# Altium PCB 电解水杯拼版6in1.PcbDoc (part 4 of 9)
Units mm, origin at the board's own origin, x right, y up, seen from the top; angles counter-clockwise.
Board outline 210 x 138 mm, 2 copper layers (Top Layer, Bottom Layer); 750 components, 0 nets, 2092 pads, 2070 vias.
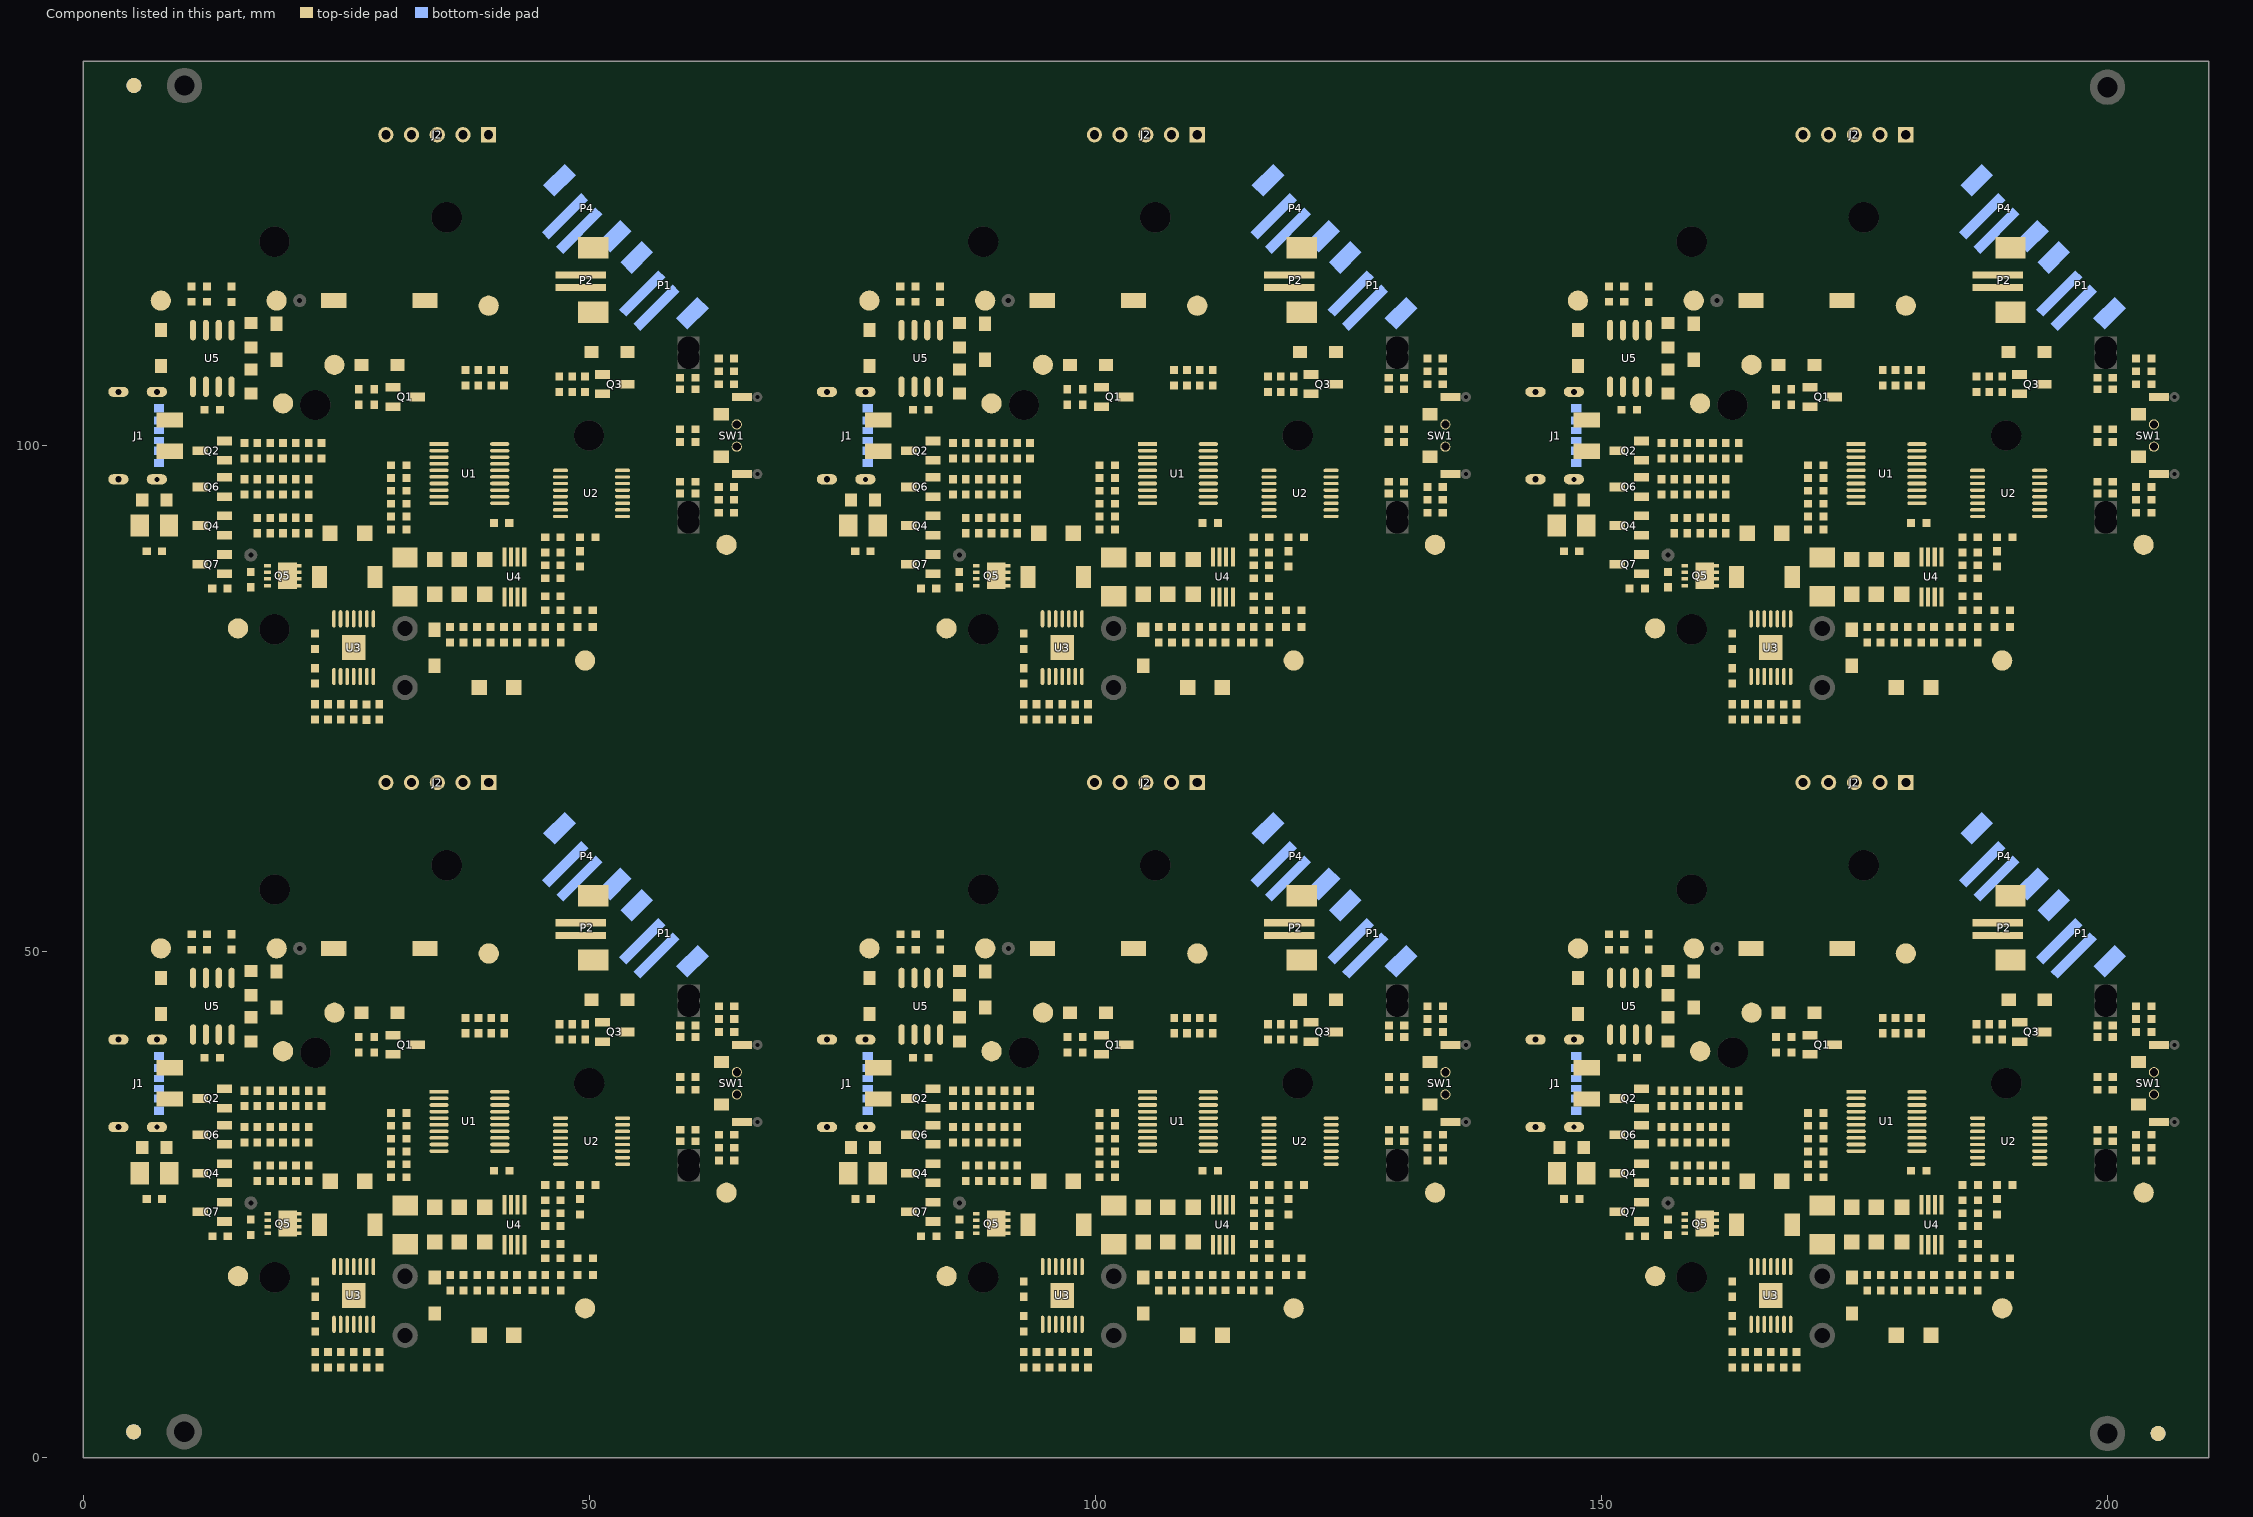
[diagram p4: the components of this part, seen from the top]

## Via types
v1: diameter 0.6, hole 0.3, Top Layer to Bottom Layer, 1968 vias
v2: diameter 0.8, hole 0.4, Top Layer to Bottom Layer, 102 vias

## Nets (pads, with @x,y where several pads share a name; then routed paths per layer and width w, separated by ;. In a path a pad name is that pad's centre, name@x,y a point inside that pad or via, vN(x,y) a via of type N, cw(c..) or ccw(c..) an arc to the next point about the centre after c; other vN are vias at no path point) (continued)
copper on no net: (continued)
  Top Layer w0.254: v1@109.32,36.878 ccw(c109.025,36.582) 109.025,37 ccw(c109.025,37.418) v1@109.32,37.122 ; v1(109.437,97.562) 111.167,97.562 114.889,97.562 115.152,97.825 115.152,107.35 115.787,107.985 121.756,107.985 122.137,108.366 122.137,111.16 122.518,111.541 132.805,111.541 133.567,110.779 133.567,103.286 ; v1(109.443,33.562) 111.173,33.562 114.894,33.562 115.158,33.825 115.158,43.35 115.793,43.985 121.762,43.985 122.143,44.366 122.143,47.16 122.524,47.541 132.811,47.541 133.573,46.779 133.573,39.286 ; v1@109.559,97.439 cw(c109.855,97.144) 109.855,97.562 cw(c109.855,97.979) v1@109.559,97.684 ; v1@109.565,33.439 cw(c109.86,33.144) 109.86,33.562 cw(c109.86,33.979) v1@109.565,33.684 ; 110.146,105.773 ccw(c109.713,105.34) 109.713,105.953 ccw(c109.713,106.566) 110.146,106.133 ; 110.152,41.773 ccw(c109.718,41.34) 109.718,41.953 ccw(c109.718,42.566) 110.152,42.133 ; 110.384,92.188 ccw(c109.95,91.755) 109.95,92.368 ccw(c109.95,92.981) 110.384,92.548 ; 110.389,28.188 ccw(c109.956,27.755) 109.956,28.368 ccw(c109.956,28.981) 110.389,28.548 ; 110.506,105.773 cw(c110.939,105.34) 110.939,105.953 cw(c110.939,106.566) 110.506,106.133 ; 110.511,41.773 cw(c110.945,41.34) 110.945,41.953 cw(c110.945,42.566) 110.511,42.133 ; 110.512,113.393 cw(c111.559,112.346) 111.559,113.827 ; 110.512,114.269 ccw(c111.579,115.335) 111.579,113.827 ; 110.518,49.393 cw(c111.565,48.346) 111.565,49.827 ; 110.518,50.269 ccw(c111.584,51.335) 111.584,49.827 ; 110.583,92.368 109.821,92.368 109.44,92.749 109.44,94.781 109.62,94.962 111.167,94.962 ; 110.588,28.368 109.826,28.368 109.445,28.749 109.445,30.781 109.626,30.962 111.173,30.962 ; 110.692,113.214 cw(c112.173,111.733) 112.173,113.827 ; 110.692,114.448 ccw(c112.192,115.948) 112.192,113.827 ; 110.697,49.214 cw(c112.178,47.733) 112.178,49.827 ; 110.697,50.448 ccw(c112.197,51.948) 112.197,49.827 ; 111.129,94.31 116.923,94.31 ; 111.135,30.31 116.929,30.31 ; 111.167,96.912 115.255,96.912 115.66,97.317 115.66,105.064 115.914,105.318 117.057,105.318 ; 111.167,98.862 v1@113.628,98.862 ; 111.169,94.96 116.923,94.96 ; 111.169,95.61 116.923,95.61 ; 111.169,96.26 116.923,96.26 ; 111.173,32.912 115.26,32.912 115.666,33.317 115.666,41.064 115.92,41.318 117.063,41.318 ; 111.173,34.862 v1@113.634,34.862 ; 111.174,30.96 116.929,30.96 ; 111.174,31.61 116.929,31.61 ; 111.174,32.26 116.929,32.26 ; 111.416,105.773 ccw(c110.983,105.34) 110.983,105.953 ccw(c110.983,106.566) 111.416,106.133 ; 111.422,41.773 ccw(c110.988,41.34) 110.988,41.953 ccw(c110.988,42.566) 111.422,42.133 ; 111.776,105.773 cw(c112.209,105.34) 112.209,105.953 cw(c112.209,106.566) 111.776,106.133 ; 111.781,41.773 cw(c112.215,41.34) 112.215,41.953 cw(c112.215,42.566) 111.781,42.133 ; 112.287,85.055 112.287,83.538 112.739,83.086 112.739,82.078 112.739,80.554 ; 112.293,21.055 112.293,19.538 112.744,19.086 112.744,18.078 112.744,16.554 ; v1@112.49,113.949 cw(c112.194,114.245) 112.194,113.827 cw(c112.194,113.409) 112.49,113.705 cw(c112.194,113.409) 112.612,113.409 cw(c113.03,113.409) v1@112.734,113.705 ; v1@112.495,49.949 cw(c112.2,50.245) 112.2,49.827 cw(c112.2,49.409) 112.495,49.705 cw(c112.2,49.409) 112.618,49.409 cw(c113.035,49.409) v1@112.74,49.705 ; v1@112.617,101.64 ccw(c112.321,101.344) 112.321,101.762 ccw(c112.321,102.18) v1@112.617,101.884 ; v1@112.622,37.64 ccw(c112.327,37.344) 112.327,37.762 ccw(c112.327,38.18) v1@112.622,37.884 ; 112.739,81.202 cw(c113.722,81.202) 113.027,81.897 ; 112.739,81.428 ccw(c113.722,81.428) 113.027,80.733 ; 112.739,82.952 ccw(c113.722,82.952) 113.027,82.257 ; v1@112.739,93.66 117.163,93.66 ; 112.744,17.202 cw(c113.727,17.202) 113.032,17.897 ; 112.744,17.428 ccw(c113.727,17.428) 113.032,16.733 ; 112.744,18.952 ccw(c113.727,18.952) 113.032,18.257 ; v1@112.745,29.66 117.169,29.66 ; v1@112.861,93.512 cw(c113.22,93.154) 113.22,93.66 ; v1@112.861,93.756 ccw(c113.094,93.989) 113.094,93.66 ; v1@112.861,103.418 cw(c113.157,103.122) 113.157,103.54 cw(c113.157,103.958) v1@112.861,103.662 ; v1@112.867,29.512 cw(c113.225,29.154) 113.225,29.66 ; v1@112.867,29.756 ccw(c113.099,29.989) 113.099,29.66 ; v1@112.867,39.418 cw(c113.162,39.122) 113.162,39.54 cw(c113.162,39.958) v1@112.867,39.662 ; 112.937,85.055 112.937,83.53 113.12,83.347 114.009,83.347 114.263,83.093 114.263,82.078 115.66,82.078 116.422,81.316 117.946,81.316 118.2,81.062 118.2,80.173 ; 112.943,21.055 112.943,19.53 113.126,19.347 114.014,19.347 114.268,19.093 114.268,18.078 115.665,18.078 116.427,17.316 117.951,17.316 118.205,17.062 118.205,16.173 ; 113.16,98.862 cw(c113.16,98.373) v1@113.506,98.719 ; 113.166,34.862 cw(c113.166,34.373) v1@113.511,34.719 ; 113.261,98.862 ccw(c113.261,99.209) v1@113.506,98.963 ; 113.266,34.862 ccw(c113.266,35.209) v1@113.511,34.963 ; 114.263,82.952 ccw(c115.246,82.952) 114.551,82.257 ; 114.268,18.952 ccw(c115.251,18.952) 114.556,18.257 ; 114.589,81.897 cw(c115.024,81.462) 115.024,82.078 ; 114.589,82.257 ccw(c115.021,82.689) 115.021,82.078 ; 114.594,17.897 cw(c115.029,17.462) 115.029,18.078 ; 114.594,18.257 ccw(c115.026,18.689) 115.026,18.078 ; 115.48,81.898 ccw(c115.047,81.464) 115.047,82.078 ccw(c115.047,82.691) 115.48,82.257 ; 115.486,17.898 ccw(c115.052,17.464) 115.052,18.078 ccw(c115.052,18.691) 115.486,18.257 ; 115.66,81.805 cw(c115.66,81.146) 116.126,81.612 ; 115.665,17.805 cw(c115.665,17.146) 116.131,17.612 ; 115.914,82.059 ccw(c116.481,82.059) 116.08,81.657 ; 115.919,18.059 ccw(c116.487,18.059) 116.085,17.657 ; 116.633,89.486 ccw(c116.924,89.777) 117.165,89.444 ; 116.638,25.486 ccw(c116.929,25.777) 117.17,25.444 ; 116.855,115.457 cw(c116.062,114.664) 117.184,114.664 ; 116.861,51.457 cw(c116.067,50.664) 117.19,50.664 ; 116.877,105.138 ccw(c116.444,104.705) 116.444,105.318 ccw(c116.444,105.931) 116.877,105.498 ; 116.883,41.138 ccw(c116.449,40.705) 116.449,41.318 ccw(c116.449,41.931) 116.883,41.498 ; 116.957,89.297 ccw(c116.675,89.099) 116.675,89.444 ; 116.957,89.59 cw(c116.675,89.788) 116.675,89.444 ; 116.963,25.297 ccw(c116.681,25.099) 116.681,25.444 ; 116.963,25.59 cw(c116.681,25.788) 116.681,25.444 ; 117.016,89.65 cw(c116.747,90.022) 116.422,89.697 ; 117.021,25.65 cw(c116.752,26.022) 116.428,25.697 ; 117.035,115.637 cw(c116.675,115.277) 117.184,115.277 ; 117.04,51.637 cw(c116.681,51.277) 117.19,51.277 ; 117.057,106.842 117.245,107.03 121.318,107.03 ; 117.063,42.842 117.251,43.03 121.324,43.03 ; v1@117.062,113.949 ccw(c116.766,114.245) 117.184,114.245 ccw(c117.602,114.245) v1@117.306,113.949 ; v1@117.067,49.949 ccw(c116.772,50.245) 117.19,50.245 ccw(c117.607,50.245) v1@117.312,49.949 ; v1(117.184,113.827) 117.184,115.605 117.194,115.615 119.163,115.615 ; v1(117.19,49.827) 117.19,51.605 117.2,51.615 119.169,51.615 ; 117.306,107.03 cw(c117.306,105.84) 118.147,106.681 ; 117.311,43.03 cw(c117.311,41.84) 118.153,42.681 ; 117.382,89.264 cw(c117.816,88.83) 117.816,89.444 cw(c117.816,90.057) 117.382,89.623 ; 117.388,25.264 cw(c117.821,24.83) 117.821,25.444 cw(c117.821,26.057) 117.388,25.623 ; 117.465,107.03 ccw(c117.465,106.453) 117.057,106.861 cw(c117.467,106.451) 117.467,107.031 ; 117.471,43.03 ccw(c117.471,42.453) 117.063,42.861 cw(c117.472,42.451) 117.472,43.031 ; 117.919,107.03 cw(c117.919,106.453) 118.327,106.861 ; 117.925,43.03 cw(c117.925,42.453) 118.333,42.861 ; 117.945,107.031 cw(c117.945,106.515) 118.327,106.861 ; 117.95,43.031 cw(c117.95,42.515) 118.333,42.861 ; 118.078,107.03 ccw(c118.078,105.84) 117.237,106.681 cw(c118.08,105.838) 118.08,107.031 ; 118.084,43.03 ccw(c118.084,41.84) 117.242,42.681 cw(c118.085,41.838) 118.085,43.031 ; 118.139,106.691 ccw(c117.372,105.996) 117.372,107.031 120.048,107.031 ccw(c120.048,106.833) 119.851,106.845 ; 118.144,42.691 ccw(c117.377,41.996) 117.377,43.031 120.053,43.031 ccw(c120.053,42.833) 119.856,42.845 ; 118.217,89.444 ccw(c118.217,90.423) 118.909,89.731 ; 118.222,25.444 ccw(c118.222,26.423) 118.915,25.731 ; 118.574,107.031 cw(c118.574,105.838) 119.417,106.681 ccw(c118.576,105.84) 118.576,107.03 ; 118.58,43.031 cw(c118.58,41.838) 119.423,42.681 ccw(c118.581,41.84) 118.581,43.03 ; 118.725,78.816 ccw(c116.928,78.901) 118.2,80.173 ; 118.73,14.816 ccw(c116.933,14.901) 118.205,16.173 ; 118.735,107.03 ccw(c118.735,106.453) 118.327,106.861 ; 118.737,107.031 ccw(c118.737,106.451) 118.327,106.861 ; 118.741,43.03 ccw(c118.741,42.453) 118.333,42.861 ; 118.742,43.031 ccw(c118.742,42.451) 118.333,42.861 ; 118.979,78.805 ccw(c117.704,78.864) 118.606,79.766 ccw(c119.508,80.668) 119.568,79.394 ; 118.984,14.805 ccw(c117.71,14.864) 118.612,15.766 ccw(c119.514,16.668) 119.573,15.394 ; 119.187,107.031 cw(c119.187,106.451) 119.597,106.861 ; 119.189,107.03 cw(c119.189,106.453) 119.597,106.861 ; 119.193,43.031 cw(c119.193,42.451) 119.603,42.861 ; 119.195,43.03 cw(c119.195,42.453) 119.603,42.861 ; 119.269,89.731 ccw(c119.961,90.423) 119.961,89.444 ; 119.274,25.731 ccw(c119.967,26.423) 119.967,25.444 ; 119.348,107.03 ccw(c119.348,105.84) 118.507,106.681 cw(c119.35,105.838) 119.35,107.031 ; 119.354,43.03 ccw(c119.354,41.84) 118.512,42.681 cw(c119.355,41.838) 119.355,43.031 ; 119.556,79.648 cw(c119.472,81.445) 118.2,80.173 ; 119.561,15.648 cw(c119.477,17.445) 118.205,16.173 ; 119.597,78.776 118.2,80.173 ; 119.602,14.776 118.205,16.173 ; 119.777,106.681 cw(c120.618,105.84) 120.618,107.03 ; 119.782,42.681 cw(c120.624,41.84) 120.624,43.03 ; 120.005,107.03 ccw(c120.005,106.453) 119.597,106.861 ; 120.011,43.03 ccw(c120.011,42.453) 119.603,42.861 ; 120.782,106.819 ccw(c120.274,106.311) 120.274,107.03 ccw(c120.274,107.749) 120.782,107.241 ; 120.788,42.819 ccw(c120.279,42.311) 120.279,43.03 ccw(c120.279,43.749) 120.788,43.241 ; 123.061,93.66 126.735,93.66 127.598,94.523 127.598,94.904 127.979,95.285 128.995,95.285 ; 123.061,94.31 126.369,94.31 127.128,95.069 127.128,96.085 127.598,96.555 128.995,96.555 ; 123.061,94.96 126.003,94.96 126.674,95.631 126.674,99.822 127.217,100.365 128.995,100.365 ; 123.061,95.61 125.764,95.61 126.22,96.066 126.22,101.019 126.836,101.635 128.995,101.635 ; 123.061,96.26 125.398,96.26 125.766,96.628 125.766,101.889 126.401,102.524 128.614,102.524 128.995,102.905 128.995,105.572 ; 123.061,96.91 124.905,96.91 125.312,97.317 125.312,102.397 126.074,103.159 127.598,103.159 127.979,103.54 127.979,106.334 128.36,106.715 128.741,106.715 ; 123.067,29.66 126.741,29.66 127.604,30.523 127.604,30.904 127.985,31.285 129.001,31.285 ; 123.067,30.31 126.375,30.31 127.134,31.069 127.134,32.085 127.604,32.555 129.001,32.555 ; 123.067,30.96 126.009,30.96 126.68,31.631 126.68,35.822 127.223,36.365 129.001,36.365 ; 123.067,31.61 125.77,31.61 126.226,32.066 126.226,37.019 126.842,37.635 129.001,37.635 ; 123.067,32.26 125.404,32.26 125.772,32.628 125.772,37.889 126.407,38.524 128.62,38.524 129.001,38.905 129.001,41.572 ; 123.067,32.91 124.911,32.91 125.318,33.317 125.318,38.397 126.08,39.159 127.604,39.159 127.985,39.54 127.985,42.334 128.366,42.715 128.747,42.715 ; 128.056,96.555 cw(c128.056,95.508) 128.796,96.248 ; 128.062,32.555 cw(c128.062,31.508) 128.802,32.248 ; 128.796,95.105 ccw(c128.363,94.672) 128.363,95.285 ccw(c128.363,95.898) 128.796,95.465 ; 128.796,100.185 ccw(c128.363,99.752) 128.363,100.365 ccw(c128.363,100.978) 128.796,100.545 ; 128.796,101.455 ccw(c128.363,101.022) 128.363,101.635 ccw(c128.363,102.248) 128.796,101.815 ; 128.796,106.535 ccw(c128.363,106.102) 128.363,106.715 ccw(c128.363,107.328) 128.796,106.895 ; 128.802,31.105 ccw(c128.368,30.672) 128.368,31.285 ccw(c128.368,31.898) 128.802,31.465 ; 128.802,36.185 ccw(c128.368,35.752) 128.368,36.365 ccw(c128.368,36.978) 128.802,36.545 ; 128.802,37.455 ccw(c128.368,37.022) 128.368,37.635 ccw(c128.368,38.248) 128.802,37.815 ; 128.802,42.535 ccw(c128.368,42.102) 128.368,42.715 ccw(c128.368,43.328) 128.802,42.895 ; 128.815,105.392 cw(c128.382,104.959) 128.995,104.959 cw(c129.608,104.959) 129.175,105.392 ; 128.821,41.392 cw(c128.387,40.959) 129.001,40.959 cw(c129.614,40.959) 129.18,41.392 ; 132.874,103.435 ccw(c131.202,105.107) 133.567,105.107 ; 132.88,39.435 ccw(c131.207,41.107) 133.573,41.107 ; 132.906,89.635 ccw(c131.662,88.563) 131.662,90.205 ; 132.906,90.775 cw(c131.662,91.847) 131.662,90.205 ; 132.911,25.635 ccw(c131.668,24.563) 131.668,26.205 ; 132.911,26.775 cw(c131.668,27.847) 131.668,26.205 ; 133.054,103.256 ccw(c131.815,104.494) 133.567,104.494 ; 133.059,39.256 ccw(c131.821,40.494) 133.573,40.494 ; 133.098,89.801 ccw(c132.216,89.041) 132.216,90.205 ccw(c132.216,91.369) 133.098,90.609 ; 133.104,25.801 ccw(c132.222,25.041) 132.222,26.205 ccw(c132.222,27.369) 133.104,26.609 ; 133.234,103.076 ccw(c132.428,103.881) 133.567,103.881 ; 133.239,39.076 ccw(c132.434,39.881) 133.573,39.881 ; 133.567,90.205 131.662,90.205 ; 133.573,26.205 131.668,26.205 ; 151.356,95.709 cw(c150.848,95.201) 151.567,95.201 cw(c152.287,95.201) 151.778,95.709 ; 151.362,31.709 cw(c150.853,31.201) 151.573,31.201 cw(c152.292,31.201) 151.783,31.709 ; 151.504,114.208 152.259,114.208 ; 151.509,50.208 152.265,50.208 ; 151.567,95.92 151.567,94.326 151.878,94.015 158.228,94.015 158.482,93.761 158.482,92.872 ; 151.573,31.92 151.573,30.326 151.884,30.015 158.234,30.015 158.488,29.761 158.488,28.872 ; 151.844,103.72 ccw(c151.15,104.414) 152.132,104.414 ; 151.85,39.72 ccw(c151.156,40.414) 152.138,40.414 ; 152.006,104.989 cw(c151.703,104.686) 152.132,104.686 cw(c152.561,104.686) 152.258,104.989 ; 152.006,112.251 ccw(c151.703,112.554) 152.132,112.554 ccw(c152.561,112.554) 152.258,112.251 ; 152.012,40.989 cw(c151.708,40.686) 152.138,40.686 cw(c152.567,40.686) 152.263,40.989 ; 152.012,48.251 ccw(c151.708,48.554) 152.138,48.554 ccw(c152.567,48.554) 152.263,48.251 ; 152.06,114.028 ccw(c151.627,113.595) 151.627,114.208 ccw(c151.627,114.821) 152.06,114.388 ; 152.066,50.028 ccw(c151.632,49.595) 151.632,50.208 ccw(c151.632,50.821) 152.066,50.388 ; 152.132,103.667 152.132,105.826 ; 152.132,111.414 152.132,112.874 151.5,113.507 151.5,116.752 152.258,117.51 184.263,117.51 184.698,117.075 184.698,98.46 184.45,98.212 181.167,98.212 ; 152.138,39.667 152.138,41.826 ; 152.138,47.414 152.138,48.874 151.505,49.507 151.505,52.752 152.263,53.51 184.269,53.51 184.704,53.075 184.704,34.46 184.455,34.212 181.173,34.212 ; 152.259,115.732 153.398,115.732 ; 152.265,51.732 153.404,51.732 ; 152.458,115.552 cw(c152.891,115.119) 152.891,115.732 cw(c152.891,116.345) 152.458,115.912 ; 152.463,51.552 cw(c152.897,51.119) 152.897,51.732 cw(c152.897,52.345) 152.463,51.912 ; 153.276,112.251 ccw(c152.973,112.554) 153.402,112.554 ccw(c153.831,112.554) 153.528,112.251 ; 153.282,48.251 ccw(c152.978,48.554) 153.408,48.554 ccw(c153.837,48.554) 153.533,48.251 ; 153.402,111.414 153.402,116.371 153.898,116.867 177.789,116.867 177.797,116.875 183.736,116.875 184.244,116.367 184.244,100.092 183.664,99.512 181.167,99.512 ; 153.408,47.414 153.408,52.371 153.904,52.867 177.794,52.867 177.802,52.875 183.742,52.875 184.25,52.367 184.25,36.092 183.669,35.512 181.173,35.512 ; 153.967,87.35 155.119,87.35 155.307,87.538 155.307,90.078 155.688,90.459 159.498,90.459 159.752,90.713 ; 153.973,23.35 155.125,23.35 155.313,23.538 155.313,26.078 155.694,26.459 159.504,26.459 159.758,26.713 159.758,27.348 161.028,27.348 ; 154.156,95.159 155.942,95.159 157.212,95.159 ; 154.161,31.159 155.947,31.159 157.217,31.159 ; 154.323,94.939 cw(c154.854,94.408) 154.854,95.159 ; 154.329,30.939 cw(c154.859,30.408) 154.859,31.159 ; 154.503,87.139 cw(c155.012,86.631) 155.012,87.35 cw(c155.012,88.069) 154.503,87.561 ; 154.503,94.759 cw(c155.467,93.795) 155.467,95.159 ; 154.508,23.139 cw(c155.017,22.631) 155.017,23.35 cw(c155.017,24.069) 154.508,23.561 ; 154.508,30.759 cw(c155.472,29.795) 155.472,31.159 ; 155.762,94.979 ccw(c155.329,94.545) 155.329,95.159 ccw(c155.329,95.772) 155.762,95.338 ; 155.768,30.979 ccw(c155.334,30.545) 155.334,31.159 ccw(c155.334,31.772) 155.768,31.338 ; 156.121,94.979 cw(c156.555,94.545) 156.555,95.159 cw(c156.555,95.772) 156.121,95.338 ; 156.127,30.979 cw(c156.56,30.545) 156.56,31.159 cw(c156.56,31.772) 156.127,31.338 ; 157.032,94.979 ccw(c156.599,94.545) 156.599,95.159 ccw(c156.599,95.772) 157.032,95.338 ; 157.032,96.484 cw(c156.599,96.05) 157.212,96.05 cw(c157.825,96.05) 157.391,96.484 ; 157.038,30.979 ccw(c156.604,30.545) 156.604,31.159 ccw(c156.604,31.772) 157.038,31.338 ; 157.038,32.484 cw(c156.604,32.05) 157.217,32.05 cw(c157.83,32.05) 157.397,32.484 ; 157.212,96.683 157.212,96.047 157.339,95.92 158.482,95.92 ; 157.217,32.683 157.217,32.047 157.345,31.92 158.488,31.92 ; 157.304,100.365 157.212,100.273 157.212,101.256 157.85,101.893 157.85,105.83 158.227,106.207 165.975,106.207 166.356,105.826 166.356,102.143 166.737,101.762 v1(182.739,101.762) ; 157.31,36.365 157.218,36.273 157.218,37.256 157.855,37.893 157.855,41.83 158.232,42.207 165.981,42.207 166.362,41.826 166.362,38.143 166.743,37.762 v1(182.745,37.762) ; 158.302,93.071 ccw(c157.869,93.504) 158.482,93.504 ccw(c159.095,93.504) 158.662,93.071 ; 158.302,95.357 ccw(c157.869,95.79) 158.482,95.79 ccw(c159.095,95.79) 158.662,95.357 ; 158.308,29.071 ccw(c157.874,29.504) 158.488,29.504 ccw(c159.101,29.504) 158.667,29.071 ; 158.308,31.357 ccw(c157.874,31.79) 158.488,31.79 ccw(c159.101,31.79) 158.667,31.357 ; 158.662,94.978 cw(c159.095,94.545) 159.095,95.158 cw(c159.095,95.771) 158.662,95.338 ; 158.667,30.978 cw(c159.101,30.545) 159.101,31.158 cw(c159.101,31.771) 158.667,31.338 ; 159.135,103.558 cw(c157.644,102.067) 159.752,102.067 cw(c161.86,102.067) 160.369,103.558 ; 159.14,39.558 cw(c157.65,38.067) 159.758,38.067 cw(c161.865,38.067) 160.375,39.558 ; 159.314,103.737 cw(c158.258,102.681) 159.752,102.681 cw(c161.246,102.681) 160.19,103.737 ; 159.32,39.737 cw(c158.263,38.681) 159.758,38.681 cw(c161.252,38.681) 160.195,39.737 ; 159.572,94.978 ccw(c159.139,94.545) 159.139,95.158 ccw(c159.139,95.771) 159.572,95.338 ; 159.572,100.472 ccw(c159.139,100.905) 159.752,100.905 ccw(c160.365,100.905) 159.932,100.472 ; 159.575,91.153 cw(c159.147,90.726) 159.752,90.726 ; 159.575,93.075 ccw(c159.147,93.502) 159.752,93.502 ; 159.578,30.978 ccw(c159.144,30.545) 159.144,31.158 ccw(c159.144,31.771) 159.578,31.338 ; 159.578,36.472 ccw(c159.144,36.905) 159.758,36.905 ccw(c160.371,36.905) 159.937,36.472 ; 159.58,27.153 cw(c159.153,26.726) 159.758,26.726 ; 159.58,29.075 ccw(c159.153,29.502) 159.758,29.502 ; v1@159.63,93.766 cw(c159.334,93.47) 159.752,93.47 cw(c160.17,93.47) v1@159.874,93.766 ; v1@159.63,101.386 cw(c159.334,101.09) 159.752,101.09 cw(c160.17,101.09) v1@159.874,101.386 ; v1@159.63,101.63 ccw(c159.334,101.926) 159.752,101.926 ccw(c160.17,101.926) v1@159.874,101.63 ; v1@159.635,29.766 cw(c159.34,29.47) 159.758,29.47 cw(c160.175,29.47) v1@159.88,29.766 ; v1@159.635,37.386 cw(c159.34,37.09) 159.758,37.09 cw(c160.175,37.09) v1@159.88,37.386 ; v1@159.635,37.63 ccw(c159.34,37.926) 159.758,37.926 ccw(c160.175,37.926) v1@159.88,37.63 ; 159.752,92.872 v1(159.752,93.888) ; 159.752,93.514 ccw(c160.374,93.514) 159.934,93.075 ; 159.752,95.158 158.482,95.158 158.482,95.92 ; 159.752,96.682 161.022,96.682 162.292,96.682 v1(165.594,96.682) ; 159.752,100.238 159.752,100.273 ; 159.752,104.175 v1(159.752,101.508) 159.752,100.273 ; 159.758,26.714 cw(c160.379,26.714) 159.94,27.153 ; 159.758,28.872 v1(159.758,29.888) ; 159.758,29.514 ccw(c160.379,29.514) 159.94,29.075 ; 159.758,31.158 158.488,31.158 158.488,31.92 ; 159.758,32.682 161.028,32.682 162.298,32.682 v1(165.6,32.682) ; 159.758,36.238 159.758,36.273 ; 159.758,40.175 v1(159.758,37.508) 159.758,36.273 ; 159.932,96.502 cw(c160.365,96.069) 160.365,96.682 cw(c160.365,97.295) 159.932,96.862 ; 159.932,100.093 cw(c160.365,99.66) 160.365,100.273 cw(c160.365,100.886) 159.932,100.453 ; 159.934,91.153 ccw(c160.374,90.714) 159.752,90.714 ; 159.934,91.172 cw(c160.358,90.748) 160.358,91.348 ; 159.934,91.532 ccw(c160.377,91.975) 160.377,91.348 ; 159.937,32.502 cw(c160.371,32.069) 160.371,32.682 cw(c160.371,33.295) 159.937,32.862 ; 159.937,36.093 cw(c160.371,35.66) 160.371,36.273 cw(c160.371,36.886) 159.937,36.453 ; 159.94,27.172 cw(c160.364,26.748) 160.364,27.348 ; 159.94,27.532 ccw(c160.383,27.975) 160.383,27.348 ; 160.402,91.348 ccw(c160.402,91.975) 160.845,91.532 ; 160.407,27.348 ccw(c160.407,27.975) 160.85,27.532 ; 160.421,91.348 cw(c160.421,90.748) 160.845,91.172 ; 160.426,27.348 cw(c160.426,26.748) 